# Altium PCB Einsy_Rambo.PcbDoc (part 2 of 4) (continued)
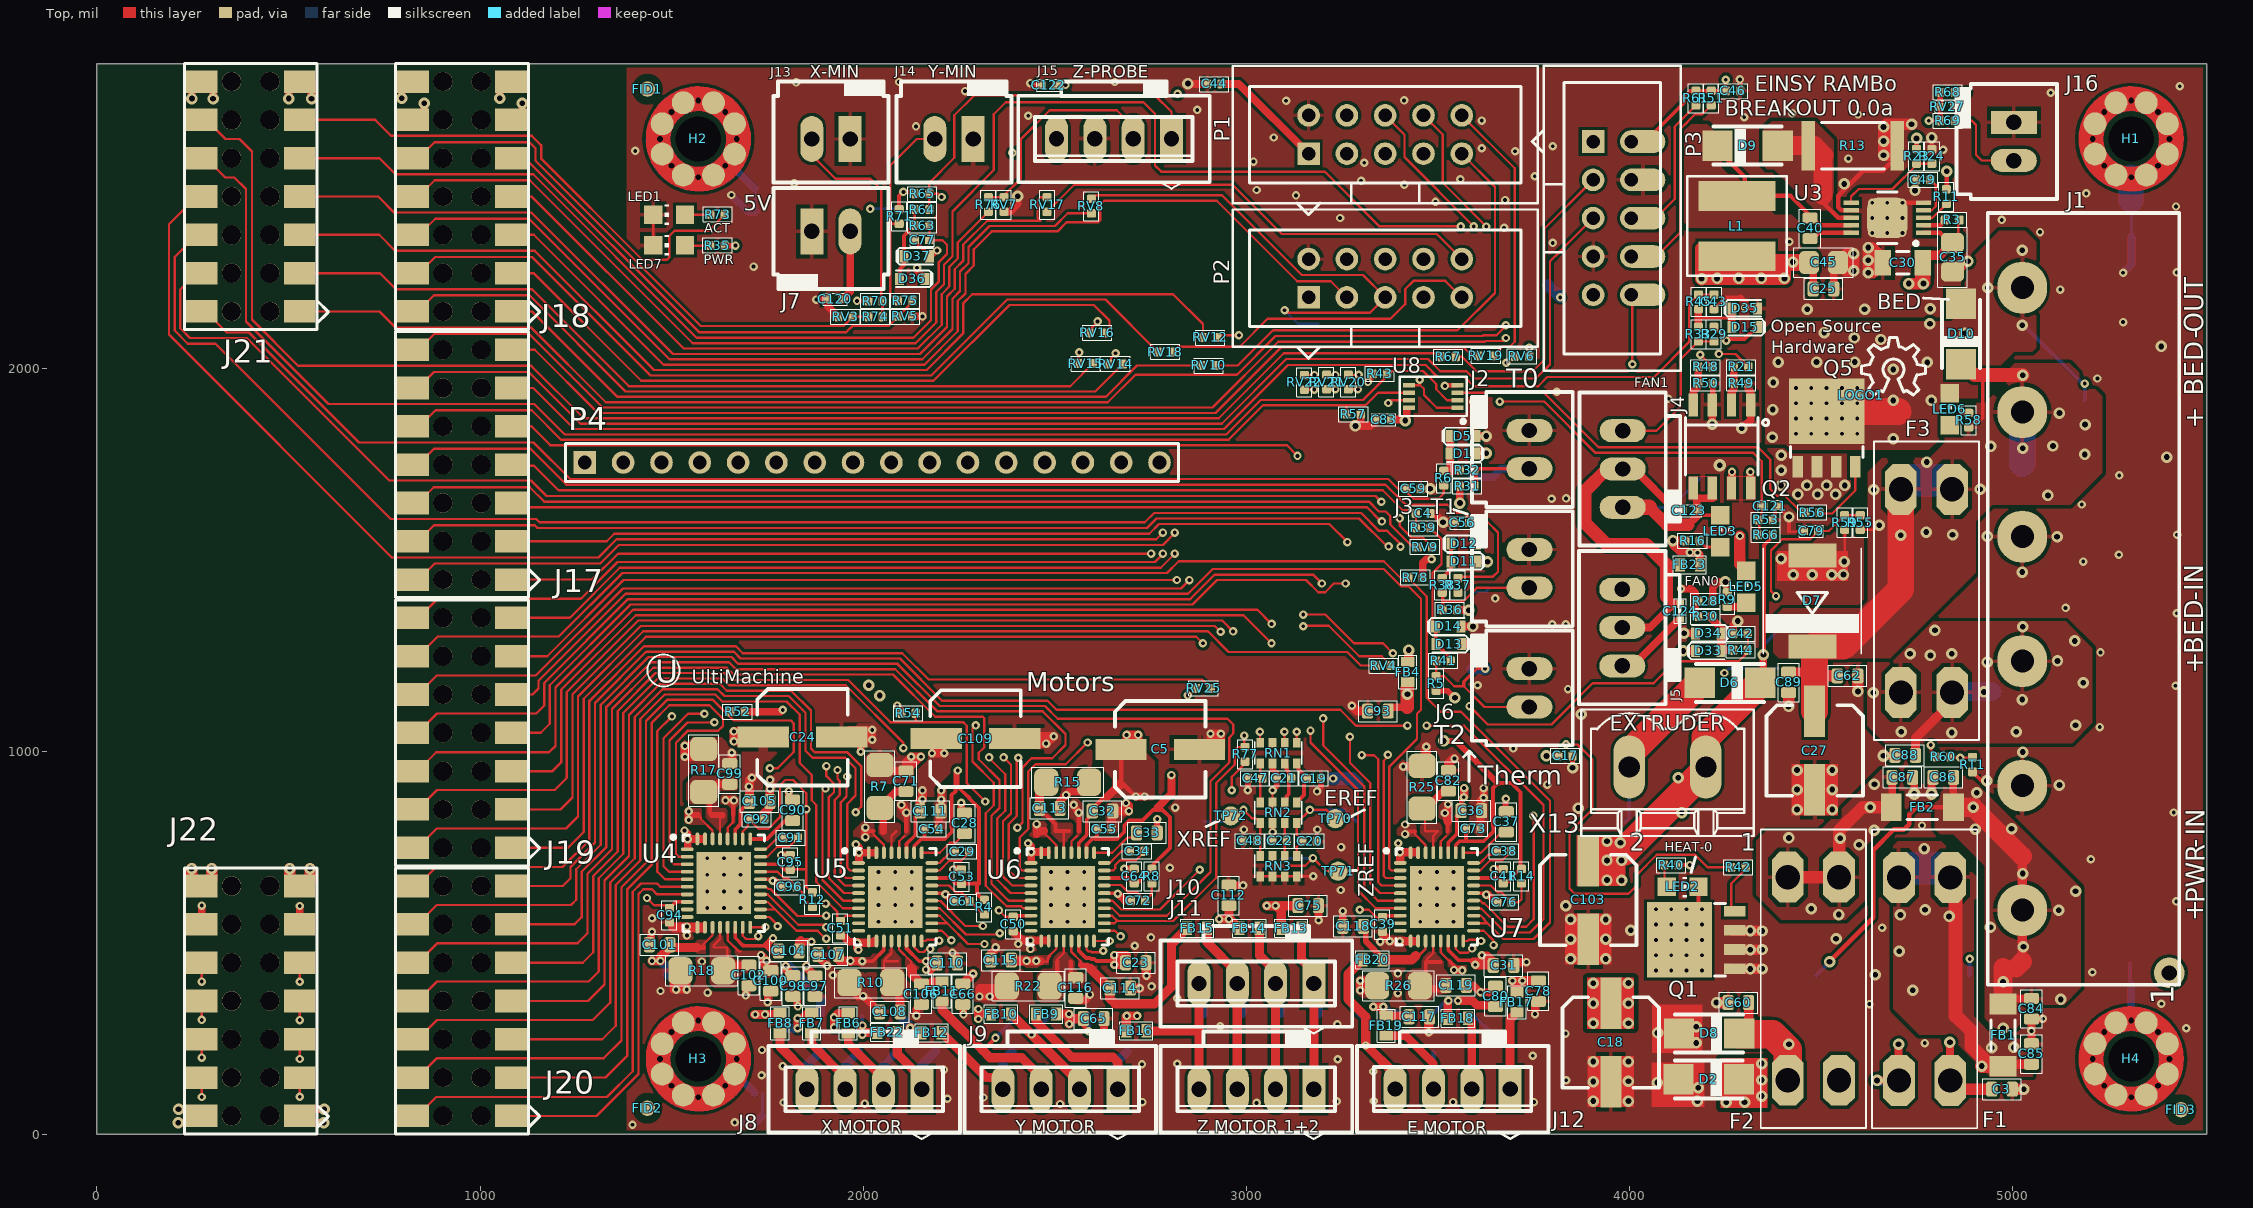
[diagram p0: Top view]
## Nets (pads, with @x,y where several pads share a name; then routed paths per layer and width w, separated by ;. In a path a pad name is that pad's centre, name@x,y a point inside that pad or via, vN(x,y) a via of type N, cw(c..) or ccw(c..) an arc to the next point about the centre after c; other vN are vias at no path point) (continued)
  Top w24: v2(3275.78,1119) 3289.78,1105 C93.1@3317.01,1105 ; v2(3409.78,960) 3456.78,960 R25.2@3459.03,962.25 3460.78,964 3465.78,964 3469.78,968 v2(3469.78,1012) ; C82.1@3527.78,949.77 3527.78,967.82 3540.96,981 v2(3543.78,981) ; C45.2@4544.78,2276 C45.2@4552.78,2284 ; C30.2@4661.61,2275 C30.2@4662.61,2274
  Top w25: C114.2@2697.55,382 2721.78,382 v2(2721.78,381) ; C23.1@2738.55,448 2738.55,415.23 v2(2739.78,414) ; v2(3476.78,267) 3476.78,305.23 C117.2@3478.55,307 ; v3(3513.78,1598) 3538.78,1598 C56.2@3539.78,1599
  Top w27: Q1.1@4267.98,432.68 4315.1,432.68 v4(4315.78,432) 4346.78,432 v6(4347.03,432.25) ; Q1.2@4267.98,482.68 4315.1,482.68 v4(4315.78,482) 4316.03,482.25 v6(4347.03,482.25) ; Q1.3@4268.66,532 v4(4315.78,532) 4346.28,532 v6(4347.03,531.25) ; Q1.3@4274.98,532.68 Q1.3@4275.66,532
  Top w30: v3(4227.78,344) C60.2@4258.01,344 ; v3(4415.78,1117) C89.2@4415.78,1153.23 ; C45.2@4544.78,2276 4566.78,2254 v3(4585.78,2254) v3(4585.78,2299) 4567.78,2299 C45.2@4552.78,2284 ; v3@4596.55,1156.23 C62.2@4596.55,1197 ; v4(4736.78,2637) 4670.78,2637 v4(4663.78,2630) ; C3.2@4999.55,118 v3(5029.78,118) ; v3(4623.78,2282) v3(4623.78,2249) 4635.61,2249 C30.2@4661.61,2275 ; v3(4623.78,2282) 4654.61,2282 C30.2@4661.61,2275 ; v3(4623.78,2282) v4(4623.78,2315) 4632.78,2315 4661.61,2286.17 C30.2@4661.61,2275 ; v4(4663.78,2630) v4(4663.78,2593) v4(4663.78,2556) 4681.78,2556 4682.78,2557 4682.78,2630 v4(4663.78,2630)
  Signal Layer 2 w6: v2(2438.78,737) v2@2438.78,743 ; v2@3401.78,744 v2@3402.78,743
  Signal Layer 2 w20: v3(4641.78,417) v3@4642.78,416
  Bottom w20: v1(1656.03,2452.25) 1699.03,2409.25 1719.03,2409.25 ; v1(1665.03,31.25) 1720.03,31.25 1737.03,48.25 ; v1(5289.03,2249.25) 5311.03,2271.25 5311.03,2343.25
  other v1: 1398.03,25.25 2514.03,79.25 2004.03,80.25 3027.03,82.25 1792.03,83.25 2729.03,84.25 3540.03,84.25 3751.03,84.25 3236.03,86.25 3333.03,87.25 2220.03,93.25 2314.03,96.25 3835.03,141.25 1735.03,154.25 3332.03,164.25 2211.03,169.25 1790.03,178.25 2728.03,183.25 2820.03,184.25 3239.03,196.25 3748.03,205.25 1736.03,220.25 4771.03,238.25 3833.03,263.25 5454.03,277.25 2932.03,282.25 3238.03,287.25 2262.03,313.25 4627.03,340.25 5389.03,341.25 2820.03,355.25 3396.03,368.25 1594.03,370.25 1471.03,374.25 2753.03,386.25 3396.03,420.25 5209.03,423.25 1579.03,451.25 2709.03,492.25 2405.03,497.25 3350.03,503.25 2751.03,514.25 4660.03,539.25 2040.47,555.1 2083.78,555.1 2127.09,555.1 2490.47,555.1 2533.78,555.1 2577.09,555.1 3454.47,555.1 3497.78,555.1 3541.09,555.1 1449.03,564.25 1593.09,591.1 1636.4,591.1 1679.71,591.1 2040.47,598.4 2083.78,598.4 2127.09,598.4 2490.47,598.4 2533.78,598.4 2577.09,598.4 3454.47,598.4 3497.78,598.4 3541.09,598.4 5428.03,608.25 1593.09,634.4 1636.4,634.4 1679.71,634.4 2040.47,641.71 2083.78,641.71 2127.09,641.71 2490.47,641.71 2533.78,641.71 2577.09,641.71 3454.47,641.71 3497.78,641.71 3541.09,641.71 1593.09,677.71 1636.4,677.71 1679.71,677.71 2040.47,685.02 2083.78,685.02 2127.09,685.02 2490.47,685.02 2533.78,685.02 2577.09,685.02 3454.47,685.02 3497.78,685.02 3541.09,685.02 5205.03,718.25 1593.09,721.02 1636.4,721.02 1679.71,721.02 3068.76,789.08 2993.95,795.97 4764.03,806.25 5421.03,840.25 3697.03,1007.25 5228.03,1063.25 3840.03,1162.25 5426.03,1171.25 3604.03,1172.25 5230.03,1258.25 3799.03,1331.25 3834.03,1331.25 5429.03,1360.25 5139.03,1374.25 3650.03,1399.25 5185.03,1495.25 5278.03,1513.25 5430.03,1565.25 5181.03,1644.25 3797.03,1659.25 3835.03,1660.25 5279.03,1720.25 3593.03,1912.25 4102.03,1920.25 3811.03,1938.25 5222.03,1973.25 5289.03,2120.25 5125.03,2205.25 5429.03,2250.25 1714.03,2265.25 2193.03,2307.25 3800.03,2327.25 4418.03,2330.25 4634.09,2353.21 4673.46,2353.21 4712.83,2353.21 5072.03,2355.25 3673.03,2366.25 4972.03,2387.25 3245.03,2392.25 4634.09,2392.58 4673.46,2392.58 4712.83,2392.58 5427.03,2422.25 4634.09,2431.95 4673.46,2431.95 3494.03,2434.25 3675.78,2439 3130.03,2451.25 5193.03,2456.25 3027.03,2465.25 3413.03,2479.25 1820.03,2483.25 3300.03,2489.25 3559.03,2493.25 3753.03,2501.25 3308.03,2536.25 3019.03,2539.25 4572.03,2547.25 3702.03,2566.25 1405.03,2567.25 4819.03,2570.25 3615.03,2574.25 3800.03,2579.25 3072.03,2602.25 2138.03,2631.25 3615.03,2646.25 4300.03,2655.25 2431.03,2659.25 4597.03,2662.25 4425.03,2665.25 2872.03,2674.25 3104.03,2698.25 3412.03,2699.25 5100.03,2719.25 2266.03,2723.25 5437.03,2736.25 1825.03,2746.25 2094.03,2747.25 2657.03,2747.25
  other v2: 2629.78,265 1830.03,334.25 1750.78,345 1511.78,378 1921.03,415.25 2436.78,484 1540.03,519.36 1540.03,542.36 2214.78,627 2664.78,628 3246.78,638 2681.78,693.5 2800.78,696 3247.78,750 3396.78,760 2814.78,853 1757.03,902.25 3785.78,913 3518.56,1953.78
  other v3: 3905.78,87 3997.78,87 3905.78,138 3997.78,139 3905.78,190 3997.78,190 3846.78,458 3938.78,458 3846.78,510 3938.78,510 4539.78,511 4003.78,533 3846.78,561 3938.78,561 3833.78,597 4437.78,848 4529.78,848 3866.78,852 4437.78,900 4529.78,900 5122.78,912 4437.78,951 4529.78,951 5026.78,998 3874.78,1097 4477.78,1461 4528.78,1461 4559.03,1461.25 5025.78,1468 4396.03,1503.25 5116.78,1560 4934.78,1561 3480.03,1685.25 5403.03,1768.25 5388.78,2057 4464.78,2154 4614.28,2154 4785.78,2155 2847.78,2743
  other v4: 4177.78,87 4179.78,122 4072.87,135.15 4175.03,238.74 4073.78,265 4175.03,280.74 4440.11,1670.54 4491.29,1670.54 4538.54,1670.54 4396.8,1694.17 4463.73,1694.17 4514.91,1694.17 4562.16,1694.17 4396.8,1733.54 4396.8,1772.91 4560.78,2481
  other v5: 4236.05,1746.7
HEAT-0: J21.10 R43.2 U8.2 | length 3887.2
  Top w6: J21.10@273.42,2548.28 284.39,2548.28 334.65,2498.03 358.27,2498.03 388.78,2467.52 388.78,2122.05 604.08,1906.75 1141.73,1906.75 1221.23,1827.25 2948.03,1827.25 3038.03,1917.25 3305.03,1917.25 3380.78,1993 3461.78,1993 3495.78,1959 3495.78,1945 3524.37,1916.41 U8.2@3551.02,1916.41
MISO: J21.7 RV17.1 | length 2433.8
  Top w6: J21.7@529.33,2448.28 734.05,2448.28 775.59,2406.75 1133.86,2406.75 1503.35,2037.25 2148.43,2037.25 2219.03,2107.86 2219.03,2187.25 2239.03,2207.25 2239.03,2258.25 2261.03,2280.25 2261.03,2322.25 2324.03,2385.25 2463.13,2385.25 2455.03,2393.35 2455.03,2438.15 2463.03,2446.15 RV17.1@2480.03,2446.15
MISO_E: J22.9 U7.5 | length 4044.7
  Top w6: v1(529.33,398.43) J22.9@529.33,448.28 ; v2(3270.78,1038) 3270.78,970 3323.78,917 3323.78,655 3348.88,629.9 U7.5@3402.11,629.9 U7.5@3402.31,629.9
  Signal Layer 2 w6: v1(529.33,398.43) 533.46,402.56 1227.36,402.56 1274.61,449.8 1274.61,1008.86 1461.61,1195.87 1952.76,1195.87 2059.05,1089.57 2239.17,1089.57 2295.28,1033.47 2404.53,1033.47 2443.9,994.1 3226.87,994.1 v2(3270.78,1038)
MISO_X: J22.3 U4.5 | length 2309
  Top w6: J22.3@529.33,148.28 529.53,148.09 v1(529.53,98.43) ; v2(1500.78,1091) 1462.78,1053 1462.78,686 1482.88,665.9 U4.5@1540.73,665.9 U4.5@1540.93,665.9
  Signal Layer 2 w6: v1(529.53,98.43) 799.21,98.43 809.05,88.58 1115.16,88.58 1371.06,344.49 1371.06,961.28 v2(1500.78,1091)
MISO_Y: J22.5 U5.5 | length 2655.6
  Top w6: v1@529.33,197.05 J22.5@529.33,248.28 ; v2(1904.03,961.25) 1904.03,935.25 1924.03,915.25 1924.03,893.25 1909.9,879.12 1909.9,669.88 1949.88,629.9 U5.5@1988.11,629.9 U5.5@1988.31,629.9
  Signal Layer 2 w6: v1(529.53,196.85) 560.04,196.85 567.91,188.98 1178.15,188.98 1343.5,354.33 1343.5,984.25 1486.22,1126.97 1706.69,1126.97 1872.41,961.25 v2(1904.03,961.25)
MISO_Z: J22.7 U6.5 | length 3185.5
  Top w6: v1(529.33,298.43) J22.7@529.33,348.28 ; v2(2328.78,984) 2327.78,983 2370.78,940 2370.78,845 2350.28,824.5 2350.28,664.5 2384.88,629.9 U6.5@2438.11,629.9 U6.5@2438.31,629.9
  Signal Layer 2 w6: v1(529.33,298.43) 726.18,298.43 735.24,289.37 1241.14,289.37 1315.94,364.17 1315.94,994.1 1476.38,1154.53 1775.59,1154.53 1812.99,1117.13 1812.99,1103.35 1959.65,956.69 2003.94,956.69 2095.47,1048.23 2224.41,1048.23 2288.64,984 v2(2328.78,984) v2@2328.78,986
MOSI: P2.5 RV8.2 TP36.TP | length 1259.4
  Top w6: RV8.2@2596.03,2442.25 2605.03,2451.25 2937.03,2451.25 3145.03,2243.25 3304.53,2243.25 P2.5@3362.78,2185 3322.25,2144.47 v2@3104.31,2144.47
  Bottom w6: v2(3100.03,2151.25) 3135.28,2116 TP36.TP@3188.78,2116
MOSI_E: J22.10 U7.4 | length 4289.2
  Top w6: v1(273.42,398.82) J22.10@273.42,448.28 ; v2(3301.78,990) 3333.78,990 3344.57,979.21 3344.57,658.21 3353.2,649.58 U7.4@3402.11,649.58 U7.4@3402.31,649.58
  Signal Layer 2 w6: v1(273.42,398.82) 273.62,398.62 460.63,398.62 510.83,348.43 844.49,348.43 884.84,388.78 1233.27,388.78 1288.39,443.9 1288.39,1003.94 1466.53,1182.09 1947.83,1182.09 2054.13,1075.79 2234.25,1075.79 2290.35,1019.69 2399.61,1019.69 2438.98,980.32 3292.09,980.32 v2(3301.78,990)
MOSI_X: J22.4 U4.4 | length 2741
  Top w6: v1(273.42,97.64) J22.4@273.42,148.28 ; U4.4@1540.93,685.58 U4.4@1540.73,685.58 1493.2,685.58 1478.78,700 1478.78,1034 1542.78,1098 v2(1585.78,1098)
  Signal Layer 2 w6: v1(273.42,97.64) 273.62,97.44 457.68,97.44 516.73,156.5 773.62,156.5 827.76,102.36 1110.24,102.36 1357.28,349.41 1357.28,979.33 1491.14,1113.19 1570.59,1113.19 v2(1585.78,1098) v2@1586.78,1099
MOSI_Y: J22.6 U5.4 | length 2937.1
  Top w6: v1(273.42,200.59) J22.6@273.42,248.28 ; v2@1933.03,950.25 1933.03,928.25 1939.03,922.25 1939.03,886.25 1925.9,873.12 1925.9,675.88 1952.2,649.58 U5.4@1988.11,649.58 U5.4@1988.31,649.58
  Signal Layer 2 w6: v1(273.42,200.59) 274.21,199.8 471.46,199.8 509.84,238.19 716.53,238.19 751.97,202.76 1173.23,202.76 1329.72,359.25 1329.72,989.17 1481.3,1140.75 1711.61,1140.75 1869.09,983.27 1913.39,983.27 1933.03,963.62 v2(1933.03,951.25)
MOSI_Z: J22.8 U6.4 | length 3384.8
  Top w6: v1(273.42,299.02) J22.8@273.42,348.28 ; v2(2366.78,984) 2385.78,965 2385.78,838 2365.28,817.5 2365.28,673.5 2389.2,649.58 U6.4@2438.11,649.58 U6.4@2438.31,649.58
  Signal Layer 2 w6: v1(273.42,299.02) 275.2,297.24 459.65,297.24 495.08,332.68 723.42,332.68 752.95,303.15 1236.22,303.15 1302.16,369.1 1302.16,999.02 1471.46,1168.31 1942.91,1168.31 2049.21,1062.01 2229.33,1062.01 2285.43,1005.91 2344.87,1005.91 v2(2366.78,984) v2@2366.78,985
nAC_FAULT: J18.8 R68.1 R69.2 RV27.2 U8.1 U8.5 | length 6069.2
  Top w6: J18.8@825,2448.28 839.76,2448.28 881.89,2490.41 1129.92,2490.41 1555.08,2065.25 2136.83,2065.25 2191.03,2119.45 2191.03,2199.25 2211.03,2219.25 2211.03,2270.25 2233.03,2292.25 2233.03,2409.25 2341.03,2517.25 2341.03,2663.25 2372.03,2694.25 2732.03,2694.25 2762.03,2664.25 2762.03,2529.25 2778.03,2513.25 3205.03,2513.25 3348.03,2370.25 v1(3560.03,2370.25) ; U8.5@3425.04,1955.78 3451.03,1955.78 ; v2(3452.78,1970) 3452.78,1957.53 3451.03,1955.78 ; U8.1@3551.02,1896.73 3497.56,1896.73 3464.03,1930.25 3464.03,1946.25 3454.5,1955.78 3451.03,1955.78 ; v1(4781.78,2646) R69.2@4811.78,2646
  Top w15: R69.2@4811.78,2646 R68.1@4811.78,2720
  Signal Layer 2 w6: v2(3452.78,1970) 3452.78,1989 3573.03,2109.25 3601.03,2109.25 3638.03,2146.25 3638.03,2294.25 3562.03,2370.25 v1(3560.03,2370.25) 3584.78,2395 3676.69,2395 3846.78,2224.91 3846.78,2172 3875.78,2143 4197.78,2143 4257.78,2203 4257.78,2271 4650.78,2664 4763.78,2664 v1(4781.78,2646)
NetC19_1: C19.1 RN1.8 RN2.1 | length 118.4
  Top w10: RN2.1@3131.75,866.83 3151.03,886.12 3151.03,938.25 3136.03,953.25 ; RN1.8@3131.75,968.77 3136.03,964.49 3136.03,953.25 ; 3136.03,952.77 3136.03,953.25
NetC20_1: C20.1 RN2.8 RN3.1 TP14.TP TP70.TP U7.23 | length 1504.3
  Top w6: RN3.1@3131.75,727.07 3131.75,750.69 C20.1@3146.51,765.46 3146.51,767.43 3131.75,782.19 RN2.8@3131.75,813.26 3132.31,813.26 v1(3166.2,847.15) 3209.63,847.15 TP70.TP@3232.78,824 ; U7.23@3593.25,610.21 3610.13,610.21 3617.25,603.09 3621.07,603.09 3682.16,542 3730.78,542 3750.78,562 3750.78,833 v2(3749.78,832)
  Signal Layer 2 w6: v1(3166.2,847.15) 3189.82,847.15 3220.92,878.25 3467.03,878.25 3531.78,943 3655.78,943 3749.78,849 v2(3749.78,832)
  Bottom w8: v1(3166.2,847.15) 3257.63,847.15 TP14.TP@3288.78,816
NetC21_1: C21.1 RN1.7 RN2.2 | length 110.9
  Top w10: RN2.2@3100.25,866.83 3105.03,871.61 3105.03,882.25 3111.03,888.25 3111.03,946.25 3105.03,952.25 3105.03,963.99 RN1.7@3100.25,968.77
NetC28_1: C28.1 U5.29 | length 132.8
  Top w6: U5.29@2152.68,735.21 2199.99,735.21 2226.03,761.25 2240.8,761.25 C28.1@2264.78,785.23
NetC29_1: C29.1 U5.28 | length 72.4
  Top w6: U5.28@2179.25,708.64 U5.28@2179.45,708.64 2199.59,708.64 2228.95,738 C29.1@2239.46,738
NetC29_2: C29.2 U5.27 | length 124
  Top w6: U5.27@2179.25,688.95 U5.27@2179.45,688.95 2199.73,688.95 2225.03,714.25 2256.03,714.25 C29.2@2282.03,740.25
NetC33_1: C33.1 U6.29 | length 132.8
  Top w6: U6.29@2602.68,735.21 2649.99,735.21 2690.03,775.25 2702.26,775.25 C33.1@2714.01,787
NetC34_1: C34.1 U6.28 | length 79.4
  Top w6: U6.28@2629.25,708.64 2644,708.64 2674.36,739 C34.1@2696.08,739
NetC34_2: C34.2 U6.27 | length 131.1
  Top w6: U6.27@2629.25,688.95 2652.11,688.95 2658.16,695 2658.16,703 2670.66,715.5 2712.28,715.5 2733.78,737 C34.2@2733.78,739
NetC37_1: C37.1 U7.29 | length 118.8
  Top w6: U7.29@3566.68,735.21 3612.99,735.21 3662.01,784.23 C37.1@3665.16,784.23
NetC38_1: C38.1 U7.28 | length 76.5
  Top w6: U7.28@3593.45,708.64 3610.42,708.64 3632.03,730.25 C38.1@3661.03,730.25
NetC38_2: C38.2 U7.27 | length 132.7
  Top w6: U7.27@3579.65,689.25 3611.03,689.25 3637.28,715.5 3668.28,715.5 C38.2@3691.78,739
NetC40_1: C40.1 U3.10 | length 111.7
  Top w11: C40.1@4488.01,2347.23 4493.98,2353.21
  Top w11.5: 4493.98,2353.21 U3.10@4578.98,2353.21
  Top w12: C40.1@4469.78,2347.23 C40.1@4488.01,2347.23
NetC40_2: C40.2 D9.C L1.1 U3.9 | length 475.6
  Top w11: 4420.81,2449.74 4497.66,2372.89
  Top w11.5: 4497.66,2372.89 U3.9@4578.98,2372.89
  Top w12: D9.C@4219.04,2582 4301.78,2499.26 4301.78,2449.74 4420.81,2449.74
NetC47_1: C47.1 RN1.5 RN2.4 | length 106.2
  Top w6: RN2.4@3036.5,866.83 3036.5,924.68 3031.35,929.83 3036.5,934.98 RN1.5@3036.5,968.77
NetC49_1: C49.1 U3.4 | length 112
  Top w6: U3.4@4767.95,2412.26 4789.81,2412.26 4800.26,2422.71 4800.26,2477.22 C49.1@4785.48,2492
NetC61_1: C61.1 R4.1 U5.25 | length 158.7
  Top w6: U5.25@2179.26,649.59 2224.19,649.59 2242.53,631.25 2256.63,631.25 R4.1@2308.78,579.1
NetC65_1: C65.1 FB9.1 TP2.TP U5.32 | length 1288.9
  Top w6: U5.32@2093.62,735.21 2094.16,735.75 2094.16,765 2107.95,778.8
  Top w10: C65.1@2575.01,302 2575.01,282.67 v2(2588.78,268.9)
  Top w12: v2@2110.16,842 2112.57,839.58 2112.57,792
  Top w24: v2(2099.78,860) 2112.44,839.79 v2@2112.57,839.58 ; FB9.1@2504.21,314.25 2504.46,314 v2(2537.78,314) 2537.78,301.25 ; v2(2538.03,288.25) 2537.78,288.5 2537.78,301.25 ; C65.1@2575.01,302 2538.53,302 2537.78,301.25
  Signal Layer 2 w24: v2(2099.78,860) 2112.94,840.11 v2@2113.01,840 ; v2(2112.78,840) v2@2113.01,840 ; v2(2538.03,288.25) v2@2539.03,289.25 ; v2@2113.01,840 2204.78,840 2297.78,747 2297.78,665 2280.78,648 2280.78,478 2331.78,427 2397.78,427 2459.78,365 2539.78,365 2559.03,345.75 2559.03,313.25 ; v2@2539.03,289.25 2537.78,290.5 v2(2537.78,314) 2558.28,314 2559.03,313.25 ; v2@2539.03,289.25 2559.03,289.25 2559.03,313.25
  Bottom w10: v2(2588.78,268.9) TP2.TP@2588.78,316
NetC66_1: C66.1 FB10.1 U5.34 | length 1209.8
  Top w6: 2026.98,792 2026.98,782.8 2054.25,755.53 U5.34@2054.25,735.21
  Top w10: 2005.78,789 2008.78,792 2026.98,792
  Top w22: v2(2005.78,776) 2005.78,789 v2(2005.78,801) ; v1(2301.03,301.25) 2301.03,314.25 ; v1(2301.03,327.25) 2301.03,314.25 ; FB10.1@2333.85,314.25 2301.03,314.25
  Top w24: C66.1@2260.03,393.02 2260.8,393.02 v1(2287.03,419.25)
  Signal Layer 2 w22: v2(2005.78,776) v2(2005.78,801)
  Signal Layer 2 w24: v2(2005.78,801) 2195.78,801 2266.28,730.5 2266.28,679.5 2246.28,659.5 2246.28,600.61 2126.97,481.3 2126.97,418.31 2147.64,397.64 2231.3,397.64 2252.91,419.25 v1(2287.03,419.25) 2287.03,387.25 2273.03,373.25 2273.03,348.25 2301.03,320.25 v1(2301.03,301.25)
NetC71_2: C71.2 R7.1 U5.33 | length 211.8
  Top w6: U5.33@2073.94,735.21 2073.94,778.95 2086.98,792
  Top w20: 2052.57,792 2052.57,843.22 R7.1@2043.78,852.02 2086.99,895.23 C71.2@2111.78,895.23
NetC72_1: C72.1 R8.1 U6.25 | length 212.7
  Top w6: U6.25@2619.03,651.25 2673.03,651.25 2691.28,633 ; 2690.78,633 2691.28,633 ; 2708.03,633 2691.28,633 ; C72.1@2731.78,606.1 C72.1@2731.78,614.7 ; R8.1@2753.78,655.1 2753.78,627.3 C72.1@2736.48,610 C72.1@2731.78,614.7 ; 2691.28,633 2713.48,633 C72.1@2731.78,614.7
NetC75_1: C75.1 FB13.1 U6.32 | length 1005.3
  Top w6: U6.32@2543.62,735.21 2544.16,735.75 2544.16,765 2557.95,778.8 ; v2@2557.16,845 2560.16,842 v2@2557.95,839.8
  Top w12: v2@2560.16,842 2562.57,839.58 2562.57,792
  Top w20: v2(2549.78,860) v2@2560.16,842
  Top w24: v2(3053.78,597) v2(3076.78,597) v2@3077.78,597 ; FB13.1@3091.6,538 3091.6,583.18 v2@3077.78,597 ; C75.1@3135.01,597 v2@3077.78,597
  Supply w24: v2@3054.78,597 v2(3076.78,597)
  Signal Layer 2 w20: v2(2549.78,860) 2562.94,840.11 v2@2563.47,839.31
  Signal Layer 2 w24: v2@2562.94,840.11 2654.67,840.11 ; 2677.78,817 2654.67,840.11 ; v2@3075.78,596 2961.33,596 2958.83,593.5 2841.28,593.5 2747.78,687 2747.78,747 2654.67,840.11
  other v2: 2562.78,840
NetC76_1: C76.1 R14.1 U7.25 | length 188
  Top w6: U7.25@3593.26,649.59 3638.19,649.59 3655.78,632 3666.48,632 C76.1@3692.48,606 3710.78,606 3718.78,614 R14.1@3718.78,655.1
NetC78_1: C78.1 FB17.1 U7.32 | length 910.2
  Top w6: U7.32@3507.62,735.21 3508.16,735.75 3508.16,765 3521.95,778.8 ; v2@3518.16,842 3521.16,845 3522.97,843.19 3524.16,842 v2@3521.95,839.8
  Top w10: 3525.57,791 3525.78,791.21 3525.78,816
  Top w22: 3525.78,816 3525.78,820.19 3525.03,820.94 3525.03,832.75 v2(3518.78,839) 3522.97,843.19 3526.78,847 v2(3526.78,862)
  Top w24: FB17.1@3706.78,371.18 3706.78,389 v2(3694.78,401) v2(3720.78,401) 3762.55,401 C78.1@3762.78,400.77
  Supply w22: v2(3518.78,839) 3526.78,847 v2(3526.78,862)
  Signal Layer 2 w24: v2(3518.78,839) 3526.78,847 ; v2(3526.78,862) 3526.78,847 ; v2@3694.78,400 v2(3694.78,401) ; v2(3720.78,401) v2(3694.78,401) ; 3526.78,847 3611.78,847 3711.78,747 3711.78,665 3694.78,648 3694.78,531.25 3706.67,519.36 3706.67,468.83 3694.78,456.94 v2(3694.78,401)
NetC80_1: C80.1 FB18.1 TP19.TP U7.34 | length 1096.3
  Top w6: 3440.98,791 3440.98,782.8 3468.25,755.53 U7.34@3468.25,735.21
  Top w10: v2(3414.78,784) 3421.78,791 3440.98,791
  Top w22: FB18.1@3526.6,303 3526.6,347.82 v2(3527.78,349) ; v2(3552.78,349) 3590.78,349 3602.78,337 3647.24,337 C80.1@3650.78,333.46
  Supply w22: v2(3414.78,784) v2@3414.78,810
  Signal Layer 2 w22: v2@3414.78,807 v2@3414.78,810
  Signal Layer 2 w24: v2@3414.78,807 3603.78,807 3680.28,730.5 3680.28,679.5 3660.28,659.5 3660.28,521.91 3675.67,506.52 3675.67,481.67 3660.28,466.28 3660.28,462.5 v2@3549.78,352
  Bottom w10: TP19.TP@3488.78,316 3521.78,349 v2(3527.78,349) v2(3552.78,349)
  other v2: 3414.78,809
NetC82_2: C82.2 R25.1 U7.33 | length 242.9
  Top w6: R25.1@3460.78,852.02 3466.57,846.22 3466.57,791 3499.98,791 3487.94,778.95 U7.33@3487.94,735.21
  Top w20: R25.1@3460.78,852.02 3470.8,852.02 3514.63,895.85 3527.4,895.85 C82.2@3527.78,896.23
NetC85_1: C85.1 F1.1 FB1.2 | length 749.2
  Top w25: FB1.2@4981.11,183.23 C85.1@5049.78,183.23
  Top w36: F1.1@4851.78,657 4851.78,309.25 4853.03,309.25 4892.56,269.72 4892.56,229.78 FB1.2@4944.45,177.9 ; v3(4920.03,178.25) 4975.42,178.25 FB1.2@4975.78,177.9
  Bottom w85: F1.1@4723.59,695.25 F1.1@4830.03,695.25
  other v3: 4945.78,226 5003.78,227 4739.78,376 4704.78,478 4834.78,569 4707.78,573 4772.03,586.25 4769.78,746
NetC87_1: C87.1 F2.1 FB2.2 | length 495.8
  Top w20: FB2.2@4683.68,854 4686.01,856.33 C87.1@4686.01,932
  Top w32: F2.1@4413.73,671.39 F2.1@4547.73,671.39 4547.73,792.95 4608.78,854 v3(4628.78,854) FB2.2@4683.68,854
  other v3: 4546.78,574 4474.78,589 4599.78,756 4550.78,773 4416.78,774 4638.78,794 4639.78,914
NetC90_1: C90.1 U4.29 | length 130.4
  Top w9.5: U4.29@1705.3,771.21 1748.99,771.21 1797.01,819.23 C90.1@1815.78,819.23
NetC91_1: C91.1 U4.28 | length 81.3
  Top w6: U4.28@1731.87,744.64 1746.62,744.64 1775.98,774 ; C91.1@1787.08,774 1775.98,774 ; C91.1@1789.08,776 1777.98,776 1775.98,774
NetC91_2: C91.2 U4.27 | length 118.2
  Top w6: U4.27@1731.87,724.95 1731.92,725 1749.78,725 1775.78,751 1806.78,751 C91.2@1829.78,774
NetC96_1: C96.1 R12.1 U4.25 | length 176.4
  Top w6: U4.25@1731.87,685.58 1754.13,685.58 1776.19,685.59 1792.78,669 1803.48,669 1841.28,631.2 1841.28,618.6 R12.1@1863.78,596.1
NetC99_2: C99.2 R17.1 U4.33 | length 232.5
  Top w6: R17.1@1599.57,878.22 R17.1@1583.78,894.02 R17.1@1603.99,914.23 ; U4.33@1626.56,771.21 1626.56,824.4 1633.78,831.62
  Top w12: 1599.57,839.21 R17.1@1599.57,878.22
  Top w15: 1604.78,834 1633.78,834 1633.78,831.62
  Top w20: R17.1@1603.99,914.23 C99.2@1651.78,914.23
NetC102_2: C102.2 R18.1 U4.14 | length 219.3
  Top w6: U4.14@1626.56,540.9 1626.56,509.78 1609.57,492.8 1609.57,488 1644.98,488 R18.1@1644.98,437.22 ; R18.1@1634.76,427 R18.1@1644.98,437.22 ; R18.1@1649.53,441.77 R18.1@1644.98,437.22
  Top w20: R18.1@1649.53,441.77 C102.2@1701.78,441.77
NetC106_1: C106.1 FB11.1 U5.15 | length 192.7
  Top w6: U5.15@2093.62,504.9 2093.62,482.39 2125.59,450.42 2125.59,434.45
  Top w24: 2125.59,434.45 2128.03,432.01 2128.03,417.02 C106.1@2152.03,393.02 2175.2,393.02 2180.03,397.86 2204.46,397.86 FB11.1@2206.03,399.43
NetC107_1: C107.1 FB12.1 TP53.TP U5.13 | length 583.4
  Top w9.5: v2(1997.78,452) 2024.78,452 2054.25,481.47 U5.13@2054.25,504.9
  Top w22: v2@1967.78,452 v2(1997.78,452)
  Top w24: C107.1@1935.55,457 1939.55,453 v2(1966.78,453) v2@1967.78,452 ; v1(2123.03,278.25) 2123.03,253.25 2135.03,265.25 FB12.1@2152.85,265.25
  Supply w22: v2(1966.78,453) 1996.78,453 v2(1997.78,452)
  Signal Layer 2 w22: v2(1966.78,453) v2@1996.78,453
  Signal Layer 2 w24: v2@1996.78,453 v2(1997.78,452) 1997.78,410 2090.28,317.5 2088.78,316 2122.03,282.75 v1(2122.03,252.25)
  Bottom w24: TP53.TP@2088.78,316 2123.03,281.75 v1(2123.03,278.25)
NetC108_2: C108.2 R10.1 U5.14 | length 239.9
  Top w6: 2056.95,456.8 2073.94,473.78 U5.14@2073.94,504.9 ; 2089.98,452 2054.57,452 2054.57,405.19 R10.1@2096.55,363.21
  Top w24: C108.2@2096.55,320 R10.1@2096.55,363.21
NetC112_1: C112.1 FB14.1 U6.34 | length 828.2
  Top w6: 2476.98,792 2476.98,782.8 2504.25,755.53 U6.34@2504.25,735.21
  Top w20: v2(2452.78,810) 2452.78,784 2460.78,792 2472.78,792
  Top w24: v2@2931.15,562 v2(2954.78,562) ; C112.1@2954.78,597.23 v2(2954.78,562) ; FB14.1@2982.6,538 2958.6,562 v2(2954.78,562)
  Signal Layer 2 w24: v2@2453.78,807 2639.78,807 2716.28,730.5 2716.28,667.5 2821.28,562.5 v2@2929.78,562.5
  other v2: 2929.78,562
NetC113_2: C113.2 R15.1 U6.33 | length 242.7
  Top w6: 2523.78,792 2523.94,791.84 U6.33@2523.94,735.21
  Top w10: C113.2@2460.01,851 2460.78,851 2502.57,809.21 2502.57,792 2523.78,792 2536.98,792
  Top w24: C113.2@2460.01,851 2460.01,900.21 R15.1@2477.8,918
NetC114_1: C114.1 FB15.1 U6.15 | length 555.2
  Top w6: U6.15@2543.62,504.9 2543.62,476.06 2567.95,451.73 2567.95,442.87
  Top w14: 2567.95,442.87 2570.47,440.36 2585.23,440.36 2592.52,433.07
  Top w24: 2592.52,433.07 2592.94,433.07 C114.1@2644.01,382 2644.01,354.77 2657.78,341 2760.78,341 2804.78,385 2804.78,497.18 FB15.1@2845.6,538
NetC115_1: C115.1 FB16.1 U6.13 | length 621
  Top w6: v2@2456.61,451 2480.98,451 ; 2487.93,467.78 2504.25,484.1 U6.13@2504.25,504.9
  Top w8: v2(2451.78,453) ccw(c2456.61,457.83) 2456.61,451 cw(c2456.61,457.83) v2(2451.78,453) ; 2480.98,451 cw(c2504.71,451) 2487.93,467.77 ccw(c2504.71,451) 2480.98,451
  Top w22: v1(2688.03,309.25) v1(2715.03,309.25)
  Top w24: C115.1@2390.78,453 v2(2426.78,453) v2(2451.78,453) v2@2461.78,453 ; FB16.1@2686.85,270.25 v1@2686.85,308.07
  Supply w24: v2(2426.78,453) v2(2451.78,453)
  Signal Layer 2 w24: v2@2429.78,453 v2(2451.78,453) 2502.78,402 2597.28,402 2688.03,311.25 v1@2715.03,311.25
NetC116_2: C116.2 R22.1 U6.14 | length 184.8
  Top w6: 2506.95,452 2506.95,456.8 2523.94,473.78 U6.14@2523.94,504.9
  Top w12: R22.1@2488.76,387 2506.57,404.81 2506.57,451 ; 2541.98,451 2541.98,415.57 C116.2@2554.78,402.77
NetC117_1: C117.1 FB19.1 TP10.TP U7.15 | length 580.1
  Top w6: U7.15@3507.62,504.9 3507.62,474.95 3532.57,450
  Top w10: 3532.57,450 3542.32,440.25 v2(3542.32,429.13)
  Top w22: v2(3331.78,333) v2(3357.78,333) 3357.78,318.18 FB19.1@3365.78,310.18 3421.83,310.18 C117.1@3425.01,307 C117.1@3426.78,305.23 ; v2(3542.32,429.13) 3562.65,429.13 v2(3563.78,428)
  Supply w24: v2(3542.32,429.13) 3562.65,429.13 v2(3563.78,428)
  Signal Layer 2 w22: v2(3331.78,333) v2(3357.78,333) ; v2@3357.78,334 3370.78,334
  Signal Layer 2 w24: 3370.78,334 3406.78,334 3440.78,368 3503.78,368 v2(3563.78,428) 3562.65,429.13 v2(3542.32,429.13)
  Bottom w22: v2(3357.78,333) 3374.78,316 TP10.TP@3388.78,316
NetC118_1: C118.1 FB20.1 U7.13 | length 256.5
  Top w6: 3442.98,458.83 3468.25,484.1 U7.13@3468.25,504.9
  Top w15: C118.1@3305.55,543 3311.78,536.77 3311.78,504 FB20.1@3359.78,456
  Top w25: FB20.1@3355.96,456 3432.36,456 3442.32,465.96
NetC119_2: C119.2 R26.1 U7.14 | length 237
  Top w6: 3470.95,452 3470.95,456.8 3487.94,473.78 U7.14@3487.94,504.9
  Top w10: R26.1@3461.76,380 R26.1@3453.76,388 3468.57,402.81 3468.57,450 3506.98,450
  Top w20: R26.1@3461.76,380 C119.2@3521.01,380
NetC123_1: C123.1 J4.1 LED3.C Q2.5 TP22.TP | length 609.9
  Top w8: 4175.73,1612.95 4179.03,1616.25 LED3.C@4237.03,1616.25
  Top w20: 4154.03,1591.25 4175.73,1612.95 C123.1@4175.73,1628.25 4175.73,1656.95 4179.03,1660.25 Q2.5@4218.03,1660.25
  Top w32: 4052.28,1637 4098.03,1591.25 4154.03,1591.25
  Top w40: J4.1@3982.78,1637 4052.28,1637
  Bottom w8: J4.1@3982.78,1637 4109.78,1637 TP22.TP@4188.78,1716